# Altium PCB PCB1_done2.PcbDoc (part 1 of 3) (continued)
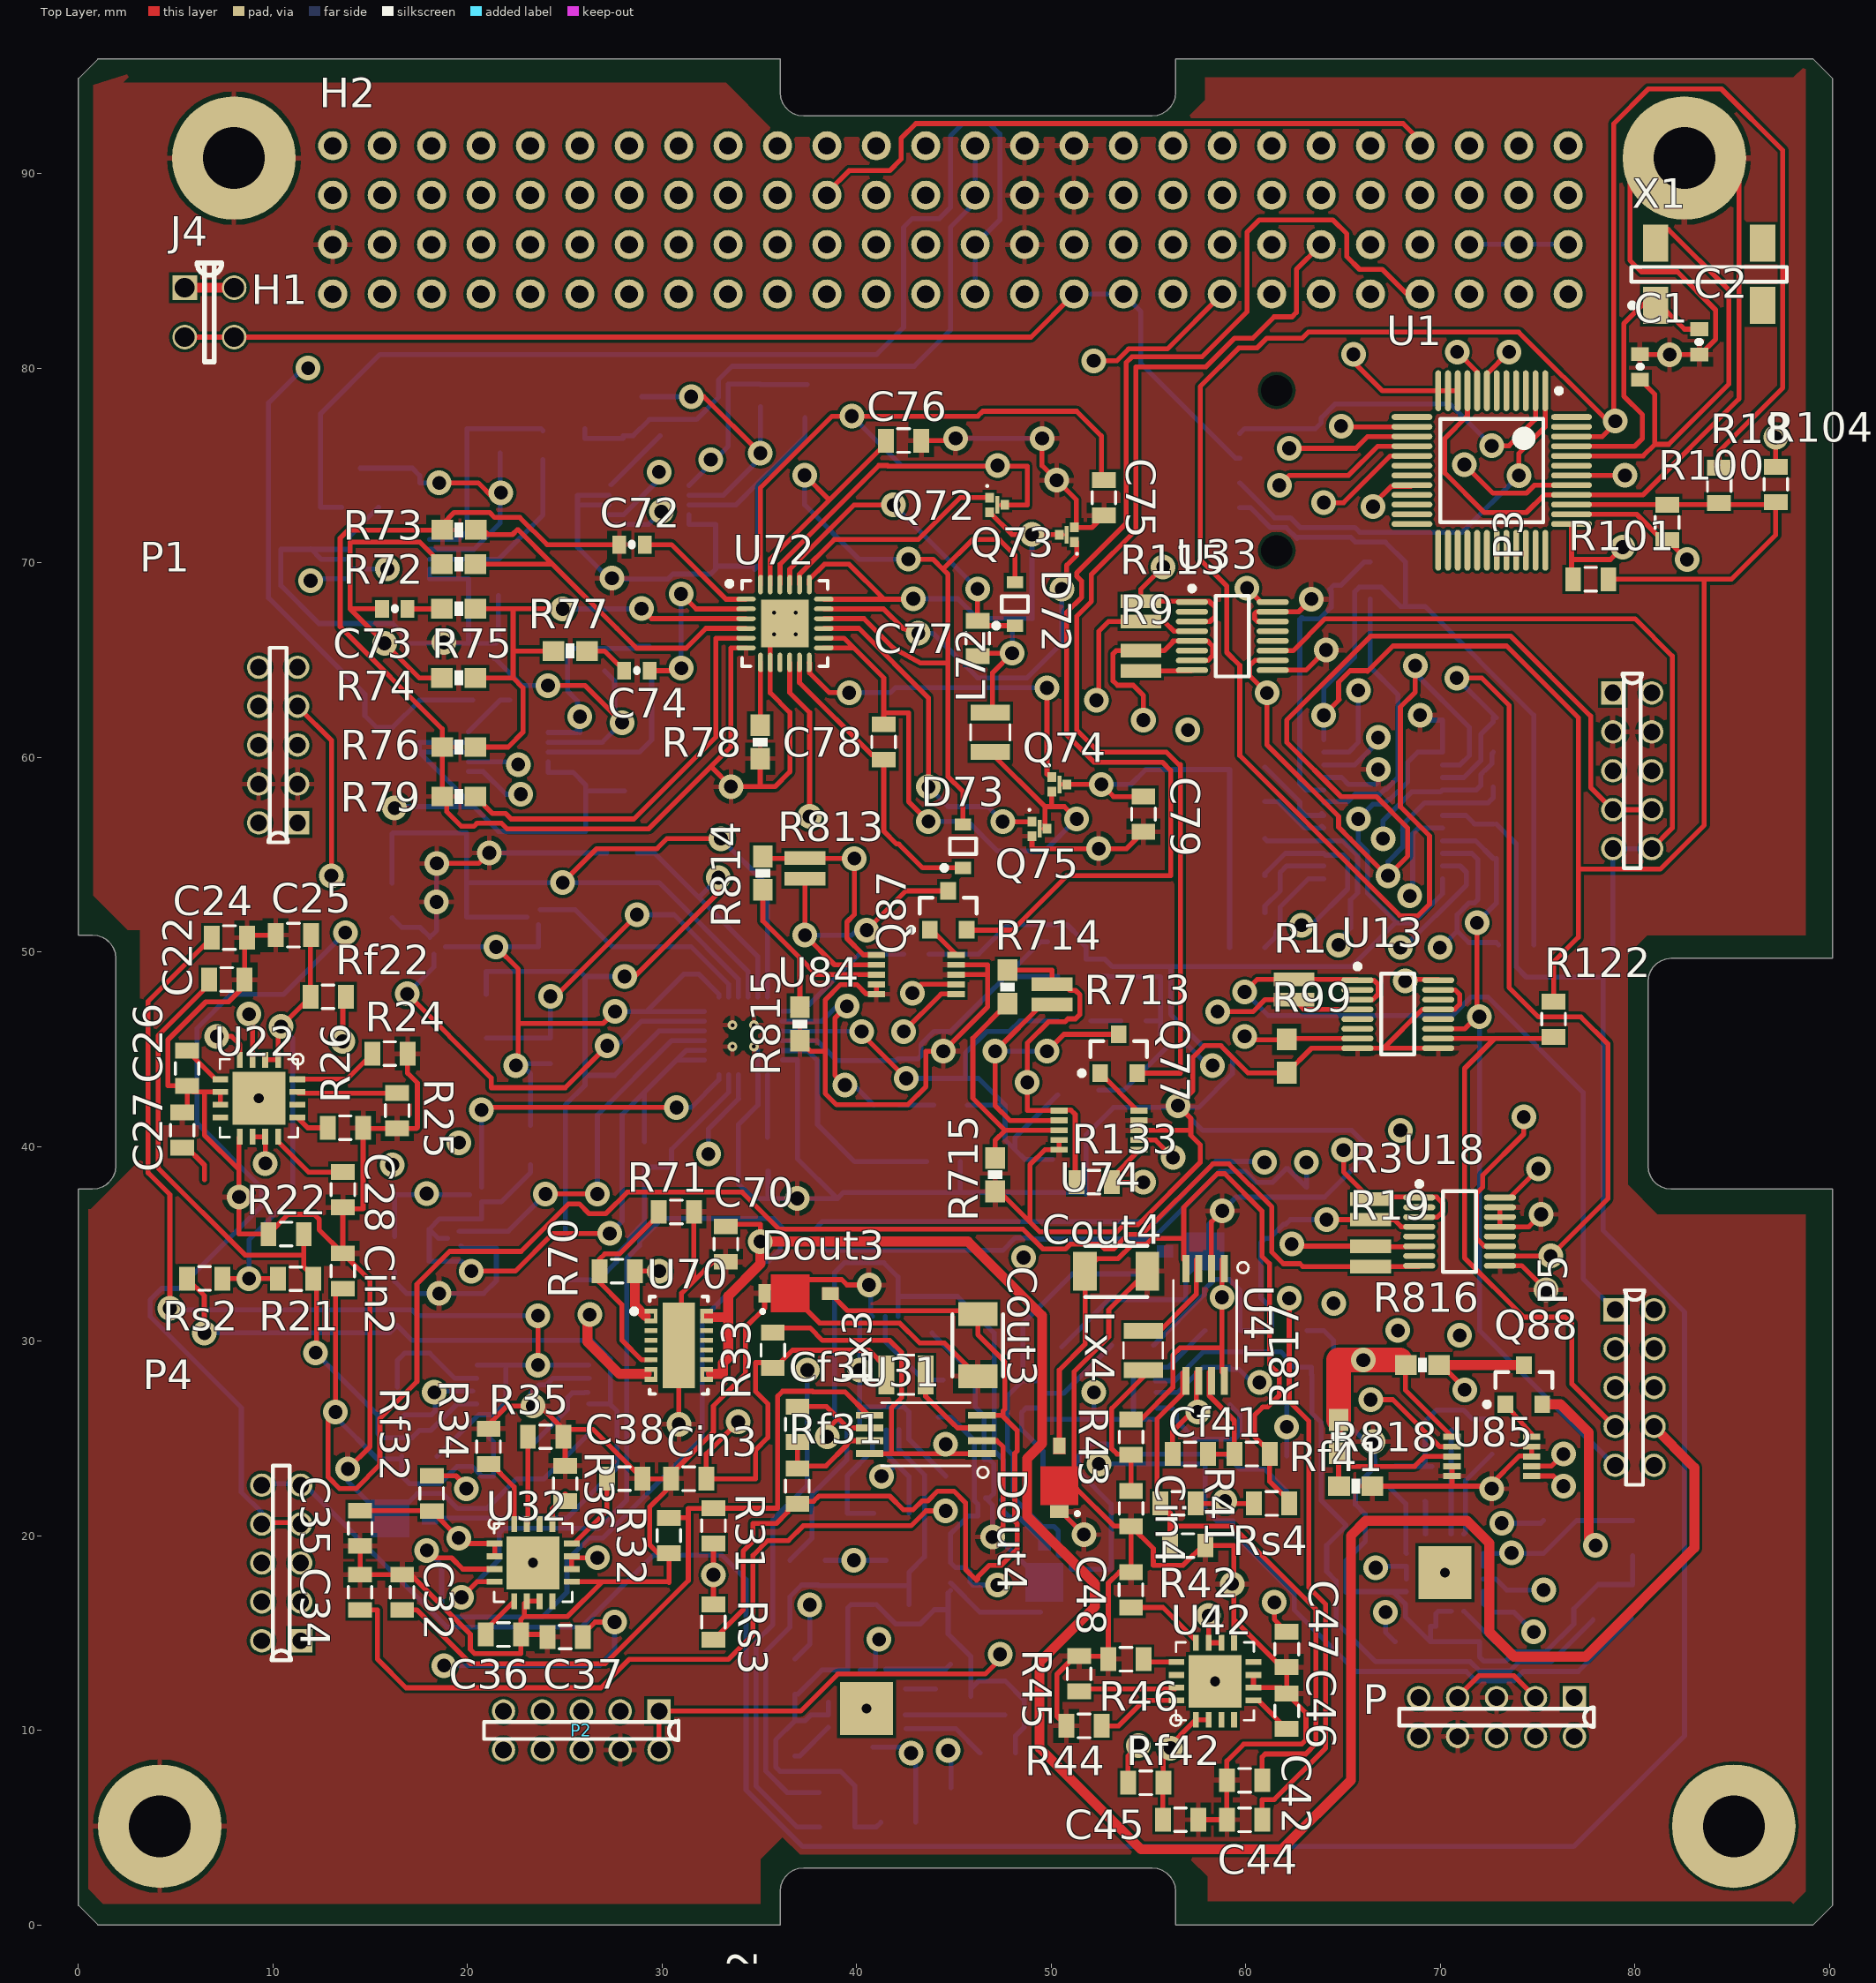
[diagram p0: Top Layer view]
## Classes and differential pairs (continued)
net class Rf42_Nets: NetC45_1 NetCf41_2
net class Rf41_Nets: NetCf41_1 NetCout4_2
net class Rf32_Nets: NetC35_1 NetCf31_2
net class Rf31_Nets: NetCf31_1 NetCout3_2
net class Rf22_Nets: NetC25_1 NetCf21_2
net class Rf21_Nets: NetCf21_1 NetCout2_2
net class Rf12_Nets: NetC15_1 NetCf11_2
net class Rf11_Nets: NetCf11_1 NetCout1_2
net class R818_Nets: ARRAYNX.4.NEG NetR817_1
net class R817_Nets: 5V NetR817_1
net class R816_Nets: 5V NetQ88_3
net class R815_Nets: ARRAYNX.4.NEG NetR814_1
net class R814_Nets: 5V NetR814_1
net class R813_Nets: 5V NetQ87_3
net class R812_Nets: ARRAYNX.4.NEG NetR811_1
net class R811_Nets: 5V NetR811_1
net class R810_Nets: 5V NetQ86_3
net class R718_Nets: ARRAYNX.4.NEG NetR717_1
net class R717_Nets: 3V3 NetR717_1
net class R716_Nets: 3V3 NetQ78_3
net class R715_Nets: ARRAYNX.4.NEG NetR714_1
net class R714_Nets: 3V3 NetR714_1
net class R713_Nets: 3V3 NetQ77_3
net class R712_Nets: ARRAYNX.4.NEG NetR711_1
net class R711_Nets: 3V3 NetR711_1
net class R710_Nets: 3V3 NetQ76_3
net class R173_Nets: 3V3 SD7
net class R172_Nets: 3V3 SC7
net class R163_Nets: 3V3 SD6
net class R162_Nets: 3V3 SC6
net class R153_Nets: 3V3 SD5
net class R152_Nets: 3V3 SC5
net class R143_Nets: 3V3 SD4
net class R142_Nets: 3V3 SC4
net class R133_Nets: 3V3 SC3
net class R132_Nets: 3V3 SD3
net class R123_Nets: 3V3 ARRAYNZ.9.SCL
net class R122_Nets: 3V3 ARRAYNZ.7.SDA
net class R115_Nets: ARRAYY.2.POS SOLARY
net class R113_Nets: 3V3 ARRAYNY.9.SCL
net class R112_Nets: 3V3 ARRAYNY.7.SDA
net class R103_Nets: 3V3 ARRAYNX.10.SCL
net class R102_Nets: 3V3 ARRAYNX.7.SDA
net class R101_Nets: 3V3 SDA
net class R100_Nets: 3V3 SCA
net class R99_Nets: ARRAYNX.4.NEG FPXRTN
net class R89_Nets: ARRAYNX.4.NEG NetR89_2
net class R88_Nets: ARRAYNX.4.NEG NetR88_2
net class R87_Nets: NetC84_1 NetR84_1
net class R86_Nets: ARRAYNX.4.NEG NetR84_1
net class R85_Nets: NetC83_2 NetR84_1
net class R84_Nets: 5V NetR84_1
net class R83_Nets: ARRAYNX.4.NEG NetR82_1
net class R82_Nets: 5V NetR82_1
net class R79_Nets: ARRAYNX.4.NEG NetR79_2
net class R78_Nets: ARRAYNX.4.NEG NetR78_2
net class R77_Nets: NetC74_1 NetR74_1
net class R76_Nets: ARRAYNX.4.NEG NetR74_1
net class R75_Nets: NetC73_2 NetR74_1
net class R74_Nets: 3V3 NetR74_1
net class R73_Nets: ARRAYNX.4.NEG NetR72_1
net class R72_Nets: 3V3 NetR72_1
net class R71_Nets: ARRAYNX.4.NEG NetR70_1
net class R70_Nets: "5V USB" NetR70_1
net class R56_Nets: ARRAYNX.4.NEG NetR56_1
net class R55_Nets: ARRAYNX.4.NEG NetR55_1
net class R54_Nets: ARRAYNX.4.NEG NetR54_1
net class R53_Nets: NetC54_1 SOLARNZ
net class R52_Nets: ARRAYNX.4.NEG NetC52_1
net class R51_Nets: NetC52_1 NetC55_1
net class R46_Nets: ARRAYNX.4.NEG NetR46_1
net class R45_Nets: ARRAYNX.4.NEG NetR45_1
net class R44_Nets: ARRAYNX.4.NEG NetR44_1
net class R43_Nets: NetC44_1 SOLARNY
net class R42_Nets: ARRAYNX.4.NEG NetC42_1
net class R41_Nets: NetC42_1 NetC45_1
net class R36_Nets: ARRAYNX.4.NEG NetR36_1
net class R35_Nets: ARRAYNX.4.NEG NetR35_1
net class R34_Nets: ARRAYNX.4.NEG NetR34_1
net class R33_Nets: NetC34_1 SOLARY
net class R32_Nets: ARRAYNX.4.NEG NetC32_1
net class R31_Nets: NetC32_1 NetC35_1
net class R26_Nets: ARRAYNX.4.NEG NetR26_1
net class R25_Nets: ARRAYNX.4.NEG NetR25_1
net class R24_Nets: ARRAYNX.4.NEG NetR24_1
net class R23_Nets: NetC24_1 SOLARNX
net class R22_Nets: ARRAYNX.4.NEG NetC22_1
net class R21_Nets: NetC22_1 NetC25_1
net class R19_Nets: ARRAYNX.1.POS SOLARNX
net class R18_Nets: 3V3 RESET
net class R16_Nets: ARRAYNX.4.NEG NetR16_1
net class R15_Nets: ARRAYNX.4.NEG NetR15_1
net class R14_Nets: ARRAYNX.4.NEG NetR14_1
net class R13_Nets: NetC14_1 SOLARX
net class R12_Nets: ARRAYNX.4.NEG NetC12_1
net class R11_Nets: NetC12_1 NetC15_1
net class R9_Nets: ARRAYNY.2.POS NetR9_2
net class R3_Nets: ARRAYX.1.POS SOLARX
net class R1_Nets: ARRAYNZ.1.POS SOLARNZ
net class Q88_Nets: ANTENNA NetQ88_1 NetQ88_3
net class Q87_Nets: FIPEX_5V NetQ87_1 NetQ87_3
net class Q86_Nets: ACS_5V NetQ86_1 NetQ86_3
net class Q85_Nets: ARRAYNX.4.NEG NetC88_2 NetQ85_1
net class Q84_Nets: 5V NetC88_2 NetQ84_1
net class Q83_Nets: ARRAYNX.4.NEG NetC87_2 NetQ83_1
net class Q82_Nets: ARRAYNZ.10.COM NetC87_2 NetQ82_1
net class Q78_Nets: NetQ78_1 NetQ78_3 PTT
net class Q77_Nets: FIPEX_3.3V NetQ77_1 NetQ77_3
net class Q76_Nets: ACS3.3V NetQ76_1 NetQ76_3
net class Q75_Nets: ARRAYNX.4.NEG NetC78_2 NetQ75_1
net class Q74_Nets: 3V3 NetC78_2 NetQ74_1
net class Q73_Nets: ARRAYNX.4.NEG NetC77_2 NetQ73_1
net class Q72_Nets: ARRAYNZ.10.COM NetC77_2 NetQ72_1
net class P_Nets: 5V ANTENNA ARRAYNX.4.NEG FPXRTN SWITCHES.3.NC SWITCHES.6.NO SWITCHES.7.COM SWITCHES.9.NO SWITCHES.10.COM.COM
net class P5_Nets: ARRAYNX.5.VDD ARRAYNZ.1.POS ARRAYNZ.7.SDA ARRAYNZ.8.NC ARRAYNZ.9.SCL ARRAYNZ.10.COM NARRZ- NetP5_2 NetP5_4 NetP5_6
net class P4_Nets: ARRAYNX.5.VDD ARRAYNY.2.POS ARRAYNY.4.NEG ARRAYNY.7.SDA ARRAYNY.9.SCL
net class P3_Nets: ARRAYNX.4.NEG ARRAYNX.5.VDD ARRAYNY.7.SDA ARRAYNY.9.SCL ARRAYY.2.POS
net class P2_Nets: ARRAYNX.1.POS ARRAYNX.2.POS ARRAYNX.3.NEG ARRAYNX.4.NEG ARRAYNX.5.VDD ARRAYNX.7.SDA ARRAYNX.8.SDA ARRAYNX.10.SCL
net class P1_Nets: ARRAYNX.4.NEG ARRAYNX.5.VDD ARRAYNX.7.SDA ARRAYNX.10.SCL ARRAYX.1.POS
net class Lx5_Nets: NetLx5_2 SOLARNZ
net class Lx4_Nets: NetLx4_2 SOLARNY
net class Lx3_Nets: NetLx3_2 SOLARY
net class Lx2_Nets: NetLx2_2 SOLARNX
net class Lx1_Nets: NetLx1_2 SOLARX
net class L82_Nets: NetC87_2 NetC88_2
net class L72_Nets: NetC77_2 NetC78_2
net class H2_Nets: 5V ACS_5V ARRAYNX.4.NEG ARRAYNZ.8.NC DIR-X DIR-Y DIR-Z IO24 IO25 IO26 IO28 IO29 IO30 IO31 IO32 IO33 IO34 IO35 IO38 IO40 IO41 IO42 IO43 IO44 IO45 IO46 IO47 PA0 PA1 PA2 PA3 PC11 PC16 PC17 PC18 PC19 PC20 PC21 PC22 PC23 PC24 PC25 PC26 PC27 PC28
net class H1_Nets: 1V 3V3 5V ACS3.3V ARRAYNX.4.NEG "CTS MHX" "DSR MHX" "DTR MHX" FAULT FIPEX_3.3V FIPEX_5V IO0 IO1 IO2 IO3 IO4 IO5 IO6 IO7 IO8 IO9 IO10 IO11 IO12 IO13 IO14 IO15 IO16 IO17 IO18 IO19 IO20 IO21 NetH1_32 NetH1_41 NetH1_43 PA22 PA30 PA31 PB26 PTT SWITCHES.10.COM.COM WKUP
net class Dout5_Nets: ARRAYNX.4.NEG NetCout5_2
net class Dout4_Nets: ARRAYNX.4.NEG NetCout4_2
net class Dout3_Nets: ARRAYNX.4.NEG NetCout3_2
net class Dout2_Nets: ARRAYNX.4.NEG NetCout2_2
net class Dout1_Nets: ARRAYNX.4.NEG NetCout1_2
net class D83_Nets: NetC86_1 NetC88_1
net class D82_Nets: NetC86_1 NetC87_1
net class D73_Nets: NetC76_1 NetC78_1
net class D72_Nets: NetC76_1 NetC77_1
net class Cout5_Nets: ARRAYNX.4.NEG NetCout5_2
net class Cout4_Nets: ARRAYNX.4.NEG NetCout4_2
net class Cout3_Nets: ARRAYNX.4.NEG NetCout3_2
net class Cout2_Nets: ARRAYNX.4.NEG NetCout2_2
net class Cout1_Nets: ARRAYNX.4.NEG NetCout1_2
net class Cin5_Nets: ARRAYNX.4.NEG SOLARNZ
net class Cin4_Nets: ARRAYNX.4.NEG SOLARNY
net class Cin3_Nets: ARRAYNX.4.NEG SOLARY
net class Cin2_Nets: ARRAYNX.4.NEG SOLARNX
net class Cin1_Nets: ARRAYNX.4.NEG SOLARX
net class Cf51_Nets: NetCf51_1 NetCf51_2
net class Cf41_Nets: NetCf41_1 NetCf41_2
net class Cf31_Nets: NetCf31_1 NetCf31_2
net class Cf21_Nets: NetCf21_1 NetCf21_2
net class Cf11_Nets: NetCf11_1 NetCf11_2
net class C89_Nets: 5V ARRAYNX.4.NEG
net class C88_Nets: NetC88_1 NetC88_2
net class C87_Nets: NetC87_1 NetC87_2
net class C86_Nets: ARRAYNX.4.NEG NetC86_1
net class C85_Nets: ARRAYNX.4.NEG ARRAYNZ.10.COM
net class C84_Nets: NetC84_1 NetC84_2
net class C83_Nets: 5V NetC83_2
net class C82_Nets: ARRAYNX.4.NEG NetC82_2
net class C79_Nets: 3V3 ARRAYNX.4.NEG
net class C78_Nets: NetC78_1 NetC78_2
net class C77_Nets: NetC77_1 NetC77_2
net class C76_Nets: ARRAYNX.4.NEG NetC76_1
net class C75_Nets: ARRAYNX.4.NEG ARRAYNZ.10.COM
net class C74_Nets: NetC74_1 NetC74_2
net class C73_Nets: 3V3 NetC73_2
net class C72_Nets: ARRAYNX.4.NEG NetC72_2
net class C70_Nets: ARRAYNX.4.NEG ARRAYNZ.8.NC
net class C58_Nets: ARRAYNX.4.NEG NetC58_1
net class C57_Nets: ARRAYNX.4.NEG VCHRG
net class C56_Nets: ARRAYNX.4.NEG NetC56_2
net class C55_Nets: ARRAYNX.4.NEG NetC55_1
net class C54_Nets: ARRAYNX.4.NEG NetC54_1
net class C52_Nets: ARRAYNX.4.NEG NetC52_1
net class C48_Nets: ARRAYNX.4.NEG NetC48_1
net class C47_Nets: ARRAYNX.4.NEG VCHRG
net class C46_Nets: ARRAYNX.4.NEG NetC46_2
net class C45_Nets: ARRAYNX.4.NEG NetC45_1
net class C44_Nets: ARRAYNX.4.NEG NetC44_1
net class C42_Nets: ARRAYNX.4.NEG NetC42_1
net class C38_Nets: ARRAYNX.4.NEG NetC38_1
net class C37_Nets: ARRAYNX.4.NEG VCHRG
net class C36_Nets: ARRAYNX.4.NEG NetC36_2
net class C35_Nets: ARRAYNX.4.NEG NetC35_1
net class C34_Nets: ARRAYNX.4.NEG NetC34_1
net class C32_Nets: ARRAYNX.4.NEG NetC32_1
net class C28_Nets: ARRAYNX.4.NEG NetC28_1
net class C27_Nets: ARRAYNX.4.NEG VCHRG
net class C26_Nets: ARRAYNX.4.NEG NetC26_2
net class C25_Nets: ARRAYNX.4.NEG NetC25_1
net class C24_Nets: ARRAYNX.4.NEG NetC24_1
net class C22_Nets: ARRAYNX.4.NEG NetC22_1
net class C18_Nets: ARRAYNX.4.NEG NetC18_1
net class C17_Nets: ARRAYNX.4.NEG VCHRG
net class C16_Nets: ARRAYNX.4.NEG NetC16_2
net class C15_Nets: ARRAYNX.4.NEG NetC15_1
net class C14_Nets: ARRAYNX.4.NEG NetC14_1
net class C12_Nets: ARRAYNX.4.NEG NetC12_1
net class C2_Nets: ARRAYNX.4.NEG NetC2_2
net class C1_Nets: ARRAYNX.4.NEG NetC1_2
net class ARRAYY: ARRAYNX.4.NEG ARRAYNX.5.VDD ARRAYNY.7.SDA ARRAYNY.9.SCL ARRAYY.2.POS
net class ARRAYY.10.SCL: ARRAYNY.9.SCL
net class ARRAYY.9.SCL: ARRAYNY.9.SCL
net class ARRAYY.8.SDA: ARRAYNY.7.SDA
net class ARRAYY.7.SDA: ARRAYNY.7.SDA
net class ARRAYY.6.VDD: ARRAYNX.5.VDD
net class ARRAYY.5.VDD: ARRAYNX.5.VDD
net class ARRAYY.4.NEG: ARRAYNX.4.NEG
net class ARRAYY.3.NEG: ARRAYNX.4.NEG
net class ARRAYY.2.POS: ARRAYY.2.POS
net class ARRAYX: ARRAYNX.4.NEG ARRAYNX.5.VDD ARRAYNX.7.SDA ARRAYNX.10.SCL ARRAYX.1.POS
net class ARRAYX.10.SCL: ARRAYNX.10.SCL
net class ARRAYX.9.SCL: ARRAYNX.10.SCL
net class ARRAYX.7.SDA: ARRAYNX.7.SDA
net class ARRAYX.5.VDD: ARRAYNX.5.VDD
net class ARRAYX.4.NEG: ARRAYNX.4.NEG
net class ARRAYX.3.NEG: ARRAYNX.4.NEG
net class ARRAYX.2.POS: ARRAYX.1.POS
net class ARRAYX.1.POS: ARRAYX.1.POS
net class ARRAYNZ: ARRAYNX.5.VDD ARRAYNZ.1.POS ARRAYNZ.2.NC ARRAYNZ.4.COM ARRAYNZ.6.NO ARRAYNZ.7.SDA ARRAYNZ.8.NC ARRAYNZ.9.SCL ARRAYNZ.10.COM
net class ARRAYNZ.10.COM: ARRAYNZ.10.COM
net class ARRAYNZ.9.SCL: ARRAYNZ.9.SCL
net class ARRAYNZ.8.NC: ARRAYNZ.8.NC
net class ARRAYNZ.7.SDA: ARRAYNZ.7.SDA
net class ARRAYNZ.6.VDD: ARRAYNZ.6.NO
net class ARRAYNZ.5.VDD: ARRAYNX.5.VDD
net class ARRAYNZ.4.NEG: ARRAYNZ.4.COM
net class ARRAYNZ.2.POS: ARRAYNZ.2.NC
net class ARRAYNZ.1.POS: ARRAYNZ.1.POS
net class ARRAYNY: ARRAYNX.5.VDD ARRAYNY.2.POS ARRAYNY.4.NEG ARRAYNY.7.SDA ARRAYNY.9.SCL
net class ARRAYNY.10.SCL: ARRAYNY.9.SCL
net class ARRAYNY.9.SCL: ARRAYNY.9.SCL
net class ARRAYNY.8.SDA: ARRAYNY.7.SDA
net class ARRAYNY.7.SDA: ARRAYNY.7.SDA
net class ARRAYNY.6.VDD: ARRAYNX.5.VDD
net class ARRAYNY.5.VDD: ARRAYNX.5.VDD
net class ARRAYNY.4.NEG: ARRAYNY.4.NEG
net class ARRAYNY.2.POS: ARRAYNY.2.POS
net class ARRAYNX: ARRAYNX.1.POS ARRAYNX.2.POS ARRAYNX.3.NEG ARRAYNX.4.NEG ARRAYNX.5.VDD ARRAYNX.7.SDA ARRAYNX.8.SDA ARRAYNX.10.SCL
net class ARRAYNX.10.SCL: ARRAYNX.10.SCL
net class ARRAYNX.8.SDA: ARRAYNX.8.SDA
net class ARRAYNX.7.SDA: ARRAYNX.7.SDA
net class ARRAYNX.6.VDD: ARRAYNX.5.VDD
net class ARRAYNX.5.VDD: ARRAYNX.5.VDD
net class ARRAYNX.4.NEG: ARRAYNX.4.NEG
net class ARRAYNX.3.NEG: ARRAYNX.3.NEG
net class ARRAYNX.2.POS: ARRAYNX.2.POS
net class ARRAYNX.1.POS: ARRAYNX.1.POS
net class J3_Nets: 3V3 RST STLINK-SWIM SWITCHES.10.COM.COM
component class BCR: C70 C72 C73 C74 C75 C76 C77 C78 C79 C82 C83 C84 C85 C86 C87 C88 C89 D72 D73 D82 D83 L72 L82 Q72 Q73 Q74 Q75 Q76 Q77 Q78 Q82 Q83 Q84 Q85 Q86 Q87 Q88 R70 R71 R72 R73 R74 R75 R76 R77 R78 R79 R82 R83 R84 R85 R86 R87 R88 R89 R710 R711 R712 R713 R714 R715 R716 R717 R718 R810 R811 R812 R813 R814 R815 R816 R817 R818 U70 U72 U73 U74 U75 U82 U83 U84 U85
component class MPPT-BCR: C12 C14 C15 C16 C17 C18 C22 C24 C25 C26 C27 C28 C32 C34 C35 C36 C37 C38 C42 C44 C45 C46 C47 C48 C52 C54 C55 C56 C57 C58 Cf11 Cf21 Cf31 Cf41 Cf51 Cin1 Cin2 Cin3 Cin4 Cin5 Cout1 Cout2 Cout3 Cout4 Cout5 Dout1 Dout2 Dout3 Dout4 Dout5 Lx1 Lx2 Lx3 Lx4 Lx5 R11 R12 R13 R14 R15 R16 R21 R22 R23 R24 R25 R26 R31 R32 R33 R34 R35 R36 R41 R42 R43 R44 R45 R46 R51 R52 R53 R54 R55 R56 Rf11 Rf12 Rf21 Rf22 Rf31 Rf32 Rf41 Rf42 Rf51 Rf52 Rs1 Rs2 Rs3 Rs4 Rs5 U11 U12 U21 U22 U31 U32 U41 U42 U51 U52
component class MPPT_Measurements: R1 R3 R9 R19 R99 R115 U13 U18 U33
component class power_board_2.SchDoc: H1 H2 J3 J4 JP3 P P1 P2 P3 P4 P5
component class power_board_uC: C1 C2 R18 R100 R101 R102 R103 R104 R112 R113 R122 R123 R132 R133 R142 R143 R152 R153 R162 R163 R172 R173 U1 U2 X1
net class J4_Nets: NetJ4_1 SWITCHES.10.COM.COM
net class SWITCHES.5.NO: ARRAYNX.4.NEG
net class SWITCHES.2.GO: SWITCHES.2.COM
net class SWITCHES.4.RTN: SWITCHES.4.NC
net class SWITCHES.6.NO: SWITCHES.6.NO
net class SWITCHES.9.NO: SWITCHES.9.NO
net class R104_Nets: 3V3 "DSR MHX"

## Components (designator, comment, footprint, x,y, rotation, side; value= is the part's Value field where it differs from the comment)
C1 "6.8pF" 0402-CAP 80.272,80.084 r270 top
C2 "6.8pF" 0402-CAP 83.32,81.354 r90 top
C12 "1 nF" 0805 77.859,16.584 r90 bottom
C14 "1 nF" 0805 79.891,16.584 r90 bottom
C15 "47 uF" 0805 79.891,19.886 r270 bottom
C16 "10 nF" 0805 71.89,14.552 r0 bottom
C17 "4.7 uF" 0805 68.588,14.552 r0 bottom
C18 "1 nF" 0805 66.556,22.426 r180 bottom
C22 "1 nF" 0805 7.628,48.588 r0 top
C24 "1 nF" 0805 7.766,50.747 r0 top
C25 "47 uF" 0805 11.057,50.874 r180 top
C26 "10 nF" 0805 5.596,44.016 r90 top
C27 "4.7 uF" 0805 5.342,40.841 r90 top
C28 "1 nF" 0805 13.597,37.793 r270 top
C32 "1 nF" 0805 16.645,17.092 r90 top
C34 "1 nF" 0805 14.486,17.092 r90 top
C35 "47 uF" 0805 14.486,20.394 r270 top
C36 "10 nF" 0805 21.852,14.933 r180 top
C37 "4.7 uF" 0805 25.027,14.806 r180 top
C38 "1 nF" 0805 28.075,22.934 r0 top
C42 "1 nF" 0805 59.952,7.44 r180 top
C44 "1 nF" 0805 59.952,5.408 r180 top
C45 "47 uF" 0805 56.65,5.408 r0 top
C46 "10 nF" 0805 62.111,10.996 r270 top
C47 "4.7 uF" 0805 62.111,14.171 r270 top
C48 "1 nF" 0805 54.11,17.219 r90 top
C52 "1 nF" 0805 38.87,6.805 r0 bottom
C54 "1 nF" 0805 38.997,5.027 r0 bottom
C55 "47 uF" 0805 42.172,5.281 r180 bottom
C56 "10 nF" 0805 36.838,9.599 r270 bottom
C57 "4.7 uF" 0805 36.838,12.774 r270 bottom
C58 "1 nF" 0805 44.712,14.298 r90 bottom
C70 "4.7 uF" 0805 33.282,34.999 r270 top
C72 "1nF" 0402-CAP 28.456,70.94 r0 top
C73 "270pF" 0402-CAP 16.264,67.638 r0 top
C74 "1nF" 0402-CAP 28.71,64.463 r0 top
C75 "22uF" 0805 52.713,73.353 r270 top
C76 "4.7uF" 0805 42.414,76.286 r0 top
C77 "0.22uF" 0805 46.224,66.126 r270 top
C78 "0.22uF" 0805 41.398,60.792 r90 top
C79 "100uF" 0805 54.745,57.097 r270 top
C82 "1nF" 0402-CAP 43.085,49.897 r180 bottom
C83 "270pF" 0402-CAP 54.241,46.46 r180 bottom
C84 "1nF" 0402-CAP 41.541,42.142 r180 bottom
C85 "22uF" 0805 16.161,52.691 r270 bottom
C86 "4.7uF" 0805 28.079,55.096 r180 bottom
C87 "0.22uF" 0805 24.269,44.936 r270 bottom
C88 "0.22uF" 0805 29.095,39.602 r90 bottom
C89 "100uF" 0805 16.264,34.491 r270 bottom
Cf11 "1 uF" 0805 59.19,27.633 r90 bottom
Cf21 "1 uF" 0805 16.391,26.744 r270 bottom
Cf31 "1 uF" 0805 36.965,25.728 r90 top
Cf41 "1 uF" 0805 57.158,24.204 r180 top
Cf51 "1 uF" 0805 41.791,21.156 r0 bottom
Cin1 "10 uF" 0805 62.238,30.554 r0 bottom
Cin2 "10 uF" 0805 13.597,33.602 r90 top
Cin3 "10 uF" 0805 31.377,22.934 r180 top
Cin4 "10 uF" 0805 54.11,21.41 r270 top
Cin5 "10 uF" 0805 44.839,18.489 r270 bottom
Cout1 "15 uF" 1210 50.554,31.316 r90 bottom
Cout2 "15 uF" 1210 26.297,23.696 r270 bottom
Cout3 "15 uF" 1210 46.236,29.792 r90 top
Cout4 "15 uF" 1210 53.348,33.602 r180 top
Cout5 "15 uF" 1210 45.474,30.427 r0 bottom
D72 "NSVBAT54HT1G" ONSC-SOD-323-2-477-02_V 48.141,67.892 r90 top
D73 "NSVBAT54HT1G" ONSC-SOD-323-2-477-02_V 45.474,55.446 r90 top
D82 "NSVBAT54HT1G" ONSC-SOD-323-2-477-02_V 20.967,46.714 r90 bottom
D83 "NSVBAT54HT1G" ONSC-SOD-323-2-477-02_V 25.031,34.268 r90 bottom
Dout1 "Diode_Zener" STmite 56.904,34.618 r0 bottom
Dout2 "Diode_Zener" STmite 17.026,20.902 r180 bottom
Dout3 "Diode_Zener" STmite 37.6,32.459 r180 top
Dout4 "Diode_Zener" STmite 50.427,23.569 r270 top
Dout5 "Diode_Zener" STmite 49.665,18.616 r270 bottom
H1 "H?" SAMTEC_ESQ_126_39_G_D 13.081,83.82 r90 top
H2 "H?" SAMTEC_ESQ_126_39_G_D 13.081,88.9 r90 top
J3 "ERNI214017" ERNI2014017 59.698,72.845 r90 bottom
J4 "Connecter" Connecter 5.469,84.148 r0 top
L72 "4.7uH" 1007 46.871,61.288 r0 top
L82 "3.3uH" 1007 23.249,40.079 r180 bottom
Lx1 "10 uH" 1007 54.11,30.046 r90 bottom
Lx2 "10 uH" 1007 22.233,24.585 r270 bottom
Lx3 "10 uH" 1007 42.553,28.268 r90 top
Lx4 "10 uH" 1007 54.745,29.538 r180 top
Lx5 "10 uH" 1007 44.204,27.125 r0 bottom
P "A3B-10PA-2DS_71" A3B-10PA-2DS_71 76.898,11.684 r270 top
P1 "STMM-105-01-S-D-RA" STMM-105-01-S-D-RA 11.271,56.642 r180 top
P2 "STMM-105-01-S-D-RA" STMM-105-01-S-D-RA 29.853,10.996 r270 top
P3 "STMM-105-01-S-D-RA" STMM-105-01-S-D-RA 78.875,63.32 r0 top
P4 "STMM-105-01-S-D-RA" STMM-105-01-S-D-RA 11.43,14.605 r180 top
P5 "STMM-105-01-S-D-RA" STMM-105-01-S-D-RA 78.994,31.623 r0 top
Q72 "PMXB40UNE" NXP-SOT1215_M 47.24,72.984 r0 top
Q73 "PMXB40UNE" NXP-SOT1215_M 50.808,71.448 r180 top
Q74 "PMXB40UNE" NXP-SOT1215_M 50.427,58.621 r0 top
Q75 "PMXB40UNE" NXP-SOT1215_M 49.411,56.335 r0 top
Q76 "NTR4501NT1G" ONSC-SOT-23-3-318-08_V 14.486,73.873 r90 bottom
Q77 "NTR4501NT1G" ONSC-SOT-23-3-318-08_V 53.475,44.778 r90 top
Q78 "NTR4501NT1G" ONSC-SOT-23-3-318-08_V 21.217,63.955 r90 bottom
Q82 "PMXB40UNE" NXP-SOT1215_M 23.253,51.794 r180 bottom
Q83 "PMXB40UNE" NXP-SOT1215_M 18.681,50.27 r0 bottom
Q84 "PMXB40UNE" NXP-SOT1215_M 20.328,37.539 r180 bottom
Q85 "PMXB40UNE" NXP-SOT1215_M 19.189,35.284 r180 bottom
Q86 "NTR4501NT1G" ONSC-SOT-23-3-318-08_V 28.964,77.544 r90 bottom
Q87 "NTR4501NT1G" ONSC-SOT-23-3-318-08_V 44.712,52.144 r90 top
Q88 "NTR4501NT1G" ONSC-SOT-23-3-318-08_V 74.303,27.76 r90 top
R1 "0.51" RESC1220X06N 62.492,48.08 r270 top
R3 "0.51" RESC1220X06N 66.429,36.777 r270 top
R9 "0.51" RESC1220X06N 54.618,64.971 r270 top
R11 "1.5M" 0805 62.365,28.014 r270 bottom
R12 "560K" 0805 65.159,19.632 r90 bottom
R13 "0" 0805 58.809,30.554 r0 bottom
R14 "15K" 0805 72.652,25.093 r90 bottom
R15 "15K" 0805 69.731,25.474 r180 bottom
R16 "15K" 0805 69.223,22.68 r90 bottom
R18 "2.2K" 0805 84.336,73.988 r270 top
R19 "0.51" RESC1220X06N 66.429,34.364 r270 top
R21 "1.5M" 0805 11.184,33.221 r180 top
R22 "560K" 0805 10.676,35.507 r0 top
R23 "0" 0805 17.407,23.95 r180 bottom
R24 "15K" 0805 16.01,44.778 r0 top
R25 "15K" 0805 16.391,41.857 r270 top
R26 "15K" 0805 13.724,40.968 r0 top
R31 "1.5M" 0805 32.647,20.521 r270 top
R32 "560K" 0805 30.361,20.013 r90 top
R33 "0" 0805 35.695,29.538 r270 top
R34 "15K" 0805 21.09,24.585 r90 top
R35 "15K" 0805 24.011,25.093 r0 top
R36 "15K" 0805 25.027,22.68 r90 top
R41 "1.5M" 0805 56.523,21.664 r0 top
R42 "560K" 0805 57.031,19.505 r180 top
R43 "0" 0805 54.11,25.079 r270 top
R44 "15K" 0805 51.697,10.234 r180 top
R45 "15K" 0805 51.443,12.901 r90 top
R46 "15K" 0805 53.856,13.663 r180 top
R51 "1.5M" 0805 42.426,18.743 r180 bottom
R52 "560K" 0805 41.791,16.457 r0 bottom
R53 "0" 0805 45.347,22.934 r0 bottom
R54 "15K" 0805 47.252,8.837 r0 bottom
R55 "15K" 0805 47.633,11.631 r90 bottom
R56 "15K" 0805 44.966,11.885 r0 bottom
R70 "100K" 0805 27.694,33.602 r0 top
R71 "21.5K" 0805 30.742,36.65 r180 top
R72 "205k" 0603-RES#1 19.554,69.936 r180 top
R73 "121k" 0603-RES#1 19.566,71.702 r0 top
R74 "205k" 0603-RES#1 19.554,64.094 r180 top
R75 "1.3k" 0603-RES#1 19.554,67.65 r180 top
R76 "121k" 0603-RES#1 19.554,60.538 r0 top
R77 "12k" 0603-RES#1 25.281,65.479 r0 top
R78 "59k" 0603-RES#1 35.048,60.792 r90 top
R79 "42.2k" 0603-RES#1 19.554,57.998 r0 top
R82 "205k" 0603-RES#1 51.193,48.746 r0 bottom
R83 "66.5k" 0603-RES#1 50.685,50.524 r180 bottom
R84 "205k" 0603-RES#1 51.57,43 r0 bottom
R85 "1.3k" 0603-RES#1 51.193,46.46 r0 bottom
R86 "66.5k" 0603-RES#1 50.939,39.348 r180 bottom
R87 "12k" 0603-RES#1 44.843,42.142 r180 bottom
R88 "59k" 0603-RES#1 35.445,39.602 r90 bottom
R89 "42.2k" 0603-RES#1 44.482,39.229 r180 bottom
R99 "330" 0603-RES#2 62.111,44.651 r270 top
R100 "2.8K" 0805 81.669,72.083 r90 top
R101 "2.8K" 0805 77.732,69.162 r0 top
R102 "2.8K" 0805 73.795,62.05 r180 bottom
R103 "2.8K" 0805 73.795,60.272 r180 bottom
R104 "2.8K" 0805 87.249,74.041 r270 top
R112 "2.8K" 0805 73.795,58.367 r180 bottom
R113 "2.8K" 0805 73.795,56.589 r180 bottom
R115 "0.51" RESC1220X06N 54.618,67.511 r270 top
R122 "2.8K" 0805 75.827,46.556 r270 top
R123 "2.8K" 0805 73.795,54.811 r180 bottom
R132 "2.8K" 0805 73.922,50.366 r180 bottom
R133 "2.8K" 0805 52.205,38.174 r0 top
R142 "2.8K" 0805 60.079,52.017 r0 bottom
R143 "2.8K" 0805 60.079,50.239 r0 bottom
R152 "2.8K" 0805 60.079,55.7 r0 bottom
R153 "2.8K" 0805 60.079,53.922 r0 bottom
R162 "2.8K" 0805 60.079,59.383 r0 bottom
R163 "2.8K" 0805 60.079,57.605 r0 bottom
R172 "2.8K" 0805 67.318,70.051 r180 bottom
R173 "2.8K" 0805 67.318,67.765 r180 bottom
R710 "0.24" RESC1220X06N 21.598,76.274 r90 bottom
R711 "10k" 0603-RES#1 23.884,76.159 r90 bottom
R712 "15k" 0603-RES#1 21.598,69.174 r90 bottom
R713 "0.24" RESC1220X06N 50.046,47.826 r90 top
R714 "10k" 0603-RES#1 47.76,48.207 r90 top
R715 "15k" 0603-RES#1 47.125,38.555 r90 top
R716 "0.24" RESC1220X06N 27.059,64.971 r90 bottom
R717 "10k" 0603-RES#1 29.345,64.844 r90 bottom
R718 "15k" 0603-RES#1 28.075,59.129 r90 bottom
R810 "0.24" RESC1220X06N 35.06,78.56 r90 bottom
R811 "10k" 0603-RES#1 37.473,78.306 r90 bottom
R812 "17k" 0603-RES#1 34.933,70.686 r90 bottom
R813 "0.24" RESC1220X06N 37.346,54.303 r90 top
R814 "10k" 0603-RES#1 35.187,54.049 r90 top
R815 "17k" 0603-RES#1 37.092,46.302 r90 top
R816 "0603" 0603-RES#1 69.096,28.776 r180 top
R817 "10k" 0603-RES#1 64.778,25.093 r90 top
R818 "17k" 0603-RES#1 65.667,22.553 r180 top
Rf11 "1K" 0805 59.698,24.331 r90 bottom
Rf12 "1K" 0805 75.319,19.886 r90 bottom
Rf21 "1K" 0805 16.391,29.919 r270 bottom
Rf22 "1K" 0805 12.835,47.699 r0 top
Rf31 "1K" 0805 36.965,22.553 r90 top
Rf32 "1K" 0805 18.169,22.172 r90 top
Rf41 "1K" 0805 60.333,24.204 r180 top
Rf42 "1K" 0805 54.872,7.313 r180 top
Rf51 "1K" 0805 38.616,21.156 r0 bottom
Rf52 "1K" 0805 43.95,7.059 r0 bottom
Rs1 "0.01" 0805 62.111,23.188 r90 bottom
Rs2 "0.01" 0805 6.485,33.221 r0 top
Rs3 "0.01" 0805 32.647,15.568 r90 top
Rs4 "0.01" 0805 61.349,21.664 r180 top
Rs5 "0.01" 0805 37.473,18.743 r0 bottom
U1 "STM8L152C6T6" LQFP48_M 72.652,74.75 r270 top
U2 "PCA9547D_112" TSOP65P640X110-24N 67.064,57.351 r180 bottom
U11 "SPV1040" TSSOP8 52.459,26.998 r0 bottom
U12 "L6924D013TR" VQFN16_AP 70.239,18.108 r180 bottom
U13 "LTC2991IMS#PBF" LT-MS-16_N 67.826,46.81 r0 top
U18 "LTC2991IMS#PBF" LT-MS-16_N 71.001,35.634 r0 top
U21 "SPV1040" TSSOP8 23.376,27.76 r180 bottom
U22 "L6924D013TR" VQFN16_AP 9.279,42.492 r270 top
U31 "SPV1040" TSSOP8 43.569,25.22 r180 top
U32 "L6924D013TR" VQFN16_AP 23.376,18.616 r0 top
U33 "LTC2991IMS#PBF" LT-MS-16_N 59.317,66.241 r0 top
U41 "SPV1040" TSSOP8 57.912,30.861 r270 top
U42 "L6924D013TR" VQFN16_AP 58.428,12.52 r90 top
U51 "SPV1040" TSSOP8 41.156,28.395 r270 bottom
U52 "L6924D013TR" VQFN16_AP 40.521,11.123 r90 bottom
U70 "LTC4415IDHC#PBF" LT-DHC-16_A_V 30.869,29.792 r0 top
U72 "LTC3785IUF#PBF" LT-UF-24_M 36.318,66.888 r0 top
U73 "ADM1176" MSOP-10 16.01,70.19 r180 bottom
U74 "ADM1176" MSOP-10 52.459,40.841 r0 top
U75 "ADM1176" MSOP-10 22.106,60.272 r180 bottom
U82 "LTC3785IUF#PBF" LT-UF-24_M 34.175,45.698 r180 bottom
U83 "ADM1176" MSOP-10 29.345,72.972 r180 bottom
U84 "ADM1176" MSOP-10 43.061,48.842 r0 top
U85 "ADM1176" MSOP-10 72.652,24.077 r0 top
X1 "XTAL_32MHz" SOJ550P350X254-4M 83.82,84.836 r90 top

## Footprints (in the part's own frame and the unit in brackets; to place one, negate y for a bottom-side part, rotate by r counter-clockwise, add the part's x,y. Pads: shape width x height; smd on the part's side, far side on the other; paste and mask are expansions set on the pad)
0402-CAP [mil]
  rect 28x36 smd: 1(-25.59,0) 2(26,0)
  silkscreen extent 0,-1 0,2
0603-RES#1 [mil]
  rect 44x40 smd: 1(-33.46,0) 2(34,0)
  silkscreen extent -9,-15 9,15
0603-RES#2 [mil]
  rect 44x40 smd: 1(33.46,0) 2(-34,0)
0805 [mil]
  rect 32x48 smd: 1(-35.43,0) 2(36,0)
  silkscreen extent -12,-24 12,24
1007 [mil]
  rect 79x32 smd: 1(0,40) 2(0,-39.37)
  silkscreen extent -39,-16 40,16
1210 [mil]
  rect 48x79 smd: 1(-62.99,0) 2(63,0)
  silkscreen extent -63,-51 63,52
A3B-10PA-2DS_71 [mm]
  rect 1.2x1.2 hole 0.86: 1(0,0)
  round 1.2 hole 0.86: 2(2,0) 3(0,-2) 4(2,-2) 5(0,-4) 6(2,-4) 7(0,-6) 8(2,-6) 9(0,-8) 10(2,-8)
  silkscreen extent 0.5,-9 1.5,1, body extent -0.23,-9.08 7.78,0.93, height 4.01
Connecter [mil]
  rect 50x50 hole 40: 1(0,0)
  round 50 hole 40: 2(0,-100) 3(100,-100) 4(100,0)
  silkscreen extent 25,-150 75,50
ERNI2014017 [mm]
  round 1.524 hole 1.6 unplated: 0(-2.21,1.9) 0(6.02,1.9)
  rect 0.8x1.1 smd: 1(3.81,0)
  oval 0.8x1.1 smd: 2(2.54,0) 3(1.27,0) 4(0,0)
  rect 1.2x2.4 smd: GND(-2.51,-0.65) GND(-2.51,4.35) GND(6.32,-0.65) GND(6.32,4.35)
LQFP48_M [mm] "Thin QFP, 48-Leads, Body 7x7mm, Pitch 0.5mm, IPC Low Density"
  oval 2.1x0.3 smd: 1(-4.1,2.75) 2(-4.1,2.25) 3(-4.1,1.75) 4(-4.1,1.25) 5(-4.1,0.75) 6(-4.1,0.25) 7(-4.1,-0.25) 8(-4.1,-0.75) 9(-4.1,-1.25) 10(-4.1,-1.75) 11(-4.1,-2.25) 12(-4.1,-2.75) 25(4.1,-2.75) 26(4.1,-2.25) 27(4.1,-1.75) 28(4.1,-1.25) 29(4.1,-0.75) 30(4.1,-0.25) 31(4.1,0.25) 32(4.1,0.75) 33(4.1,1.25) 34(4.1,1.75) 35(4.1,2.25) 36(4.1,2.75)
  oval 0.3x2.1 smd: 13(-2.75,-4.1) 14(-2.25,-4.1) 15(-1.75,-4.1) 16(-1.25,-4.1) 17(-0.75,-4.1) 18(-0.25,-4.1) 19(0.25,-4.1) 20(0.75,-4.1) 21(1.25,-4.1) 22(1.75,-4.1) 23(2.25,-4.1) 24(2.75,-4.1) 37(2.75,4.1) 38(2.25,4.1) 39(1.75,4.1) 40(1.25,4.1) 41(0.75,4.1) 42(0.25,4.1) 43(-0.25,4.1) 44(-0.75,4.1) 45(-1.25,4.1) 46(-1.75,4.1) 47(-2.25,4.1) 48(-2.75,4.1)
  silkscreen extent -4.22,-2.65 2.65,3.57, body extent -3.5,-3.5 3.5,3.5, height 1.6
LT-DHC-16_A_V [mm] "DHC-16_A, 16-Leads, Body 5x3mm, Pitch 0.5mm, Thermal Pad 4.4x1.65mm"
  rect 0.65x0.25 smd: 1(-1.425,1.75) 2(-1.425,1.25) 3(-1.425,0.75) 4(-1.425,0.25) 5(-1.425,-0.25) 6(-1.425,-0.75) 7(-1.425,-1.25) 8(-1.425,-1.75) 9(1.425,-1.75) 10(1.425,-1.25) 11(1.425,-0.75) 12(1.425,-0.25) 13(1.425,0.25) 14(1.425,0.75) 15(1.425,1.25) 16(1.425,1.75)
  rect 1.65x4.4 smd: 17(0,0)
  rect 0.19x0.75 smd: ""(-1.195,-1.5) ""(-1.195,1.5) ""(1.195,-1.5) ""(1.195,1.5)
  silkscreen extent -2.42,-2.5 1.5,2.5, body extent -1.5,-2.5 1.5,2.5, height 0.8
LT-MS-16_N [mm] "SOP, 16-Leads, Body 4.1x3.1mm, Pitch 0.5mm, IPC Medium Density"
  oval 1.65x0.3 smd: 1(-2.075,1.75) 2(-2.075,1.25) 3(-2.075,0.75) 4(-2.075,0.25) 5(-2.075,-0.25) 6(-2.075,-0.75) 7(-2.075,-1.25) 8(-2.075,-1.75) 9(2.075,-1.75) 10(2.075,-1.25) 11(2.075,-0.75) 12(2.075,-0.25) 13(2.075,0.25) 14(2.075,0.75) 15(2.075,1.25) 16(2.075,1.75)
  silkscreen extent -2.2,-2.08 0.85,2.57, body extent -1.55,-2.05 1.55,2.05, height 1.1
LT-UF-24_M [mm] "QFN, 24-Leads, Body 4.1x4.1mm, Pitch 0.5mm, Thermal Pad 2.45x2.45mm, IPC Low Density"
  oval 1x0.25 smd: 1(-2,1.25) 2(-2,0.75) 3(-2,0.25) 4(-2,-0.25) 5(-2,-0.75) 6(-2,-1.25) 13(2,-1.25) 14(2,-0.75) 15(2,-0.25) 16(2,0.25) 17(2,0.75) 18(2,1.25)
  oval 0.25x1 smd: 7(-1.25,-2) 8(-0.75,-2) 9(-0.25,-2) 10(0.25,-2) 11(0.75,-2) 12(1.25,-2) 19(1.25,2) 20(0.75,2) 21(0.25,2) 22(-0.25,2) 23(-0.75,2) 24(-1.25,2)
  rect 2.45x2.45 smd: 25(0,0)
  silkscreen extent -2.97,-2.2 2.2,2.2, body extent -2.05,-2.05 2.05,2.05, height 0.8
MSOP-10 [mil]
  rect 35x12 smd: 1(-80.5,40) 2(-80.5,20) 3(-80.5,0) 4(-80.5,-19.68) 5(-80.5,-39.37) 6(81,-39.37) 7(81,-19.68) 8(81,0) 9(81,20) 10(81,40)
NXP-SOT1215_M [mm] "SON, 3-Leads, Body 1.15x1.05mm, Pitch 0.75mm, Thermal Pad 0.91x0.2mm, IPC Low Density"
  rect 0.45x0.5 smd: 1(-0.394,0.375) 2(-0.394,-0.375) 3(0.383,0)
  rect 0.2x0.91 smd: 4(0,0)
  silkscreen extent -0.57,0.93 -0.48,1.02, body extent -0.53,-0.58 0.53,0.58, height 0.4
ONSC-SOD-323-2-477-02_V [mm] "SOD, 2-Leads, Body 1.7x1.25mm"
  rect 0.63x0.83 smd: 1(-1.115,0) 2(1.115,0)
  silkscreen extent -1.24,-0.67 0.4,1.09, body extent -0.85,-0.63 0.85,0.63, height 1.06
ONSC-SOT-23-3-318-08_V [mm] "SOT23, 3-Leads, Body 2.92x1.3mm, Pitch 0.95mm"
  rect 0.9x0.8 smd: 1(-1,0.95) 2(-1,-0.95) 3(1,0)
  silkscreen extent -1.12,-1.46 0.65,2.03, body extent -0.65,-1.46 0.65,1.46, height 1.11
RESC1220X06N [mm] "Chip Resistor, 2-Leads, Body 1.20x2.00mm, IPC Medium Density"
  rect 0.7x2.1 smd: 1(-0.525,0) 2(0.525,0)
  body extent -0.65,-1.05 0.65,1.05, height 0.55
SAMTEC_ESQ_126_39_G_D [mm]
  round 1.5 hole 0.9: 1(0,0) 2(2.54,0) 3(0,-2.54) 4(2.54,-2.54) 5(0,-5.08) 6(2.54,-5.08) 7(0,-7.62) 8(2.54,-7.62) 9(0,-10.16) 10(2.54,-10.16) 11(0,-12.7) 12(2.54,-12.7) 13(0,-15.24) 14(2.54,-15.24) 15(0,-17.78) 16(2.54,-17.78) 17(0,-20.32) 18(2.54,-20.32) 19(0,-22.86) 20(2.54,-22.86) 21(0,-25.4) 22(2.54,-25.4) 23(0,-27.94) 24(2.54,-27.94) 25(0,-30.48) 26(2.54,-30.48) 27(0,-33.02) 28(2.54,-33.02) 29(0,-35.56) 30(2.54,-35.56) 31(0,-38.1) 32(2.54,-38.1) 33(0,-40.64) 34(2.54,-40.64) 35(0,-43.18) 36(2.54,-43.18) 37(0,-45.72) 38(2.54,-45.72) 39(0,-48.26) 40(2.54,-48.26) 41(0,-50.8) 42(2.54,-50.8) 43(0,-53.34) 44(2.54,-53.34) 45(0,-55.88) 46(2.54,-55.88) 47(0,-58.42) 48(2.54,-58.42) 49(0,-60.96) 50(2.54,-60.96) 51(0,-63.5) 52(2.54,-63.5)
  body extent -1.27,-65.02 3.81,1.52, height 11.05
SOJ550P350X254-4M [mm] "SOJ, 4-Leads, Body 8.00x3.55mm, Pitch 5.50mm, IPC Low Density"
  rect 1.9x1.3 smd: 1(-1.6,2.75) 2(-1.6,-2.75) 3(1.6,-2.75) 4(1.6,2.75)
  silkscreen extent -1.72,-4 0.38,4.07, body extent -1.6,-4 1.6,4, height 2.54
STmite [mm]
  rect 0.85x0.65 smd: 1(-1.055,0)
  rect 0.65x0.95 smd: 2(2.325,0)
  Top Layer region: 0,0.975 2,0.975 2,-0.975 0,-0.975
  Top Layer region: -1.475,0.325 -0.625,0.325 -0.625,-0.325 -1.475,-0.325
  silkscreen extent 2.38,0.88 2.47,0.97
STMM-105-01-S-D-RA [mm]
  rect 1.2x1.2 hole 0.86: 1(0,0)
  round 1.2 hole 0.86: 2(2,0) 3(0,-2) 4(2,-2) 5(0,-4) 6(2,-4) 7(0,-6) 8(2,-6) 9(0,-8) 10(2,-8)
  silkscreen extent 0.5,-9 1.5,1, body extent -0.23,-12.16 8.38,4.01, height 6.55
TSOP65P640X110-24N [mm] "TSOP, 24-Leads, Body 7.80x4.40mm, Pitch 0.65mm, IPC Medium Density"
  rect 1.7x0.35 smd: 1(-3.05,3.575) 2(-3.05,2.925) 3(-3.05,2.275) 4(-3.05,1.625) 5(-3.05,0.975) 6(-3.05,0.325) 7(-3.05,-0.325) 8(-3.05,-0.975) 9(-3.05,-1.625) 10(-3.05,-2.275) 11(-3.05,-2.925) 12(-3.05,-3.575) 13(3.05,-3.575) 14(3.05,-2.925) 15(3.05,-2.275) 16(3.05,-1.625) 17(3.05,-0.975) 18(3.05,-0.325) 19(3.05,0.325) 20(3.05,0.975) 21(3.05,1.625) 22(3.05,2.275) 23(3.05,2.925) 24(3.05,3.575)
  silkscreen extent -3.17,-3.95 1.8,4.42, body extent -2.25,-3.95 2.25,3.95, height 1.1
TSSOP8 [mil]
  rect 56x14 smd: 1(-113.19,39) 2(-113.19,13) 3(-113.19,-12.8) 4(-113.19,-38.39) 5(114,-38.39) 6(114,-12.8) 7(114,13) 8(114,39)
  silkscreen extent -126,-64 90,88
VQFN16_AP [mil]
  rect 32x12 smd: 1(-77.76,39) 2(-77.76,13) 3(-77.76,-12.8) 4(-77.76,-38.39) 9(78,-38.39) 10(78,-12.8) 11(78,13) 12(78,39)
  rect 12x32 smd: 5(-38.39,-77.76) 6(-12.8,-77.76) 7(13,-77.76) 8(39,-77.76) 13(39,78) 14(13,78) 15(-12.8,78) 16(-38.39,78)
  rect 107x107 hole 20: EP@5(0,0)
  silkscreen extent -90,-79 79,90

## Part data
C1 C2: library part CAP0402-6_8pF
C12 C14 C18 C22 C24 C28 C32 C34 C38 C42 C44 C48 C52 C54 C58: library part CAP0805_1nF
C15 C25 C35 C45 C55: library part CAP0805_47000nF
C16 C26 C36 C46 C56: library part CAP0805_10nF
C17 C27 C37 C47 C57 C70: library part CAP0805_4700nF
C72 C73 C74 C82 C83 C84: library part CAP0402-CAP
C75 C76 C77 C78 C79 C85 C86 C87 C88 C89: library part CAP0805
Cf11 Cf21 Cf31 Cf41 Cf51: library part CAP0805_1uF
Cin1 Cin2 Cin3 Cin4 Cin5: library part CAP0805_10uF
Cout1 Cout2 Cout3 Cout4 Cout5: library part CAP0805_15uF
D72 D73 D82 D83: library part CMP-1055-00464-1, "Schottky Barrier Diode, 2-Pin SOD-323, Pb-Free, Tape and Reel"
H1 H2: library part SAMTEC_ESQ_126_39_G_D, "26X2 header"
L72 L82 Lx1 Lx2 Lx3 Lx4 Lx5: library part INDUCTOR1007
Q72 Q73 Q74 Q75 Q82 Q83 Q84 Q85: library part CMP-1258-00046-1, "N-Channel Trench MOSFET, 12 V, 3.2 A, -55 to 150 degC, 4-Pin SOT1215"
Q76 Q77 Q78 Q86 Q87 Q88: library part CMP-1058-00732-1, "Power MOSFET, 20 V, 3.2 A, Single N-Channel, 3-Pin SOT-23, Pb-Free, Tape and Reel"
R1 R3 R9 R19 R115: library part RESISTOR, "<b>Resistor</b> / Basic schematic elements and footprints for 0603, 1206, and PTH resistors."
R11 R21 R31 R41 R51: library part RES_0805_1500K
R12 R22 R32 R42 R52: library part RES_0805_560K
R13 R23 R33 R43 R53: library part RES_0805_0
R14 R15 R16 R24 R25 R26 R34 R35 R36 R44 R45 R46 R54 R55 R56: library part RES_0805_15K
R18: library part RES_0805_2k2
R70: library part RES_0805_100K
R71: library part RES_0805_21_5K
R72 R73 R74 R75 R76 R77 R78 R79 R82 R83 R84 R85 R86 R87 R88 R89 R710 R711 R712 R713 R714 R715 R716 R717 R718 R810 R811 R812 R813 R814 R815 R817 R818: library part RESISTOR0603-RES
R99: library part RESISTOR0805-RES_333
R100 R101 R102 R103 R104 R112 R113 R122 R123 R132 R133 R142 R143 R152 R153 R162 R163 R172 R173: library part RES_0805_2k8
R816: library part RESISTOR0603-RES, "=Value"
Rf11 Rf12 Rf21 Rf22 Rf31 Rf32 Rf41 Rf42 Rf51 Rf52: library part RES_0805_1K
Rs1 Rs2 Rs3 Rs4 Rs5: library part RES_0805_01
U1: library part CMP-0235-00048-1, "STM8L ARM-based EnergyLite 8-bit MCU, LCD, 32 kB Flash, 2 kB Internal RAM, -40 to +85°C Temperature, 48-pin LQFP, Tray"
U12 U22 U32 U42 U52: "IC BATT CHRGR ION/POLY 16-VFQFPN"
U13 U18 U33: library part CMP-0482-00817-1, "Octal I2C Voltage, Current, and Temperature Monitor, 16-pin SOP (MS-16), -40 to 85 degC, Pb-Free"
U70: library part CMP-0479-00074-1, "Dual 4 A Ideal Diode with Adjustable Current Limit, Imon Output, Overcurrent Warning, Thermal Warning, 1.7 to 5.5 V Vin, 16-pin DFN (DHC-16_A), -40 to 125 degC, Pb-Free"
U72 U82: library part CMP-0492-02264-1, "High Efficiency, Synchronous, No Rsense Buck-Boost Controller, 24-pin QFN (UF24), -40 to 125 degC, Pb-Free"

## Free pads (board coordinates)
  round 6.35 hole 3.175: 1(4.191,5.08) 1(8.001,90.805) 1(82.55,90.805) 1(85.09,5.08)

## Via types
v1: diameter 1.27, hole 0.711, Top Layer to Bottom Layer, 226 vias
v2: diameter 0.5, hole 0.2, Top Layer to Bottom Layer, 8 vias
v3: diameter 1.27, hole 0.711, Top Layer to Bottom Layer, tented bottom, 1 vias

## Nets (pads, with @x,y where several pads share a name; then routed paths per layer and width w, separated by ;. In a path a pad name is that pad's centre, name@x,y a point inside that pad or via, vN(x,y) a via of type N, cw(c..) or ccw(c..) an arc to the next point about the centre after c; other vN are vias at no path point)
1V: H1.34 H1.47 H1.49 H1.51